# KiCad board Capstone_Project_Mainboard.kicad_pcb
title: TBD; date: 2023-12-26; rev: A; company: Jordan Harris-Toovy; note: Mainboard for Capstone Project at Oregon Tech; note: Manufacture using JLC10181H-2313 (2mm) with 0.15/0.3 minimum via; note: JLCPCB quoted 392USD for 20 units on 2023-12-09
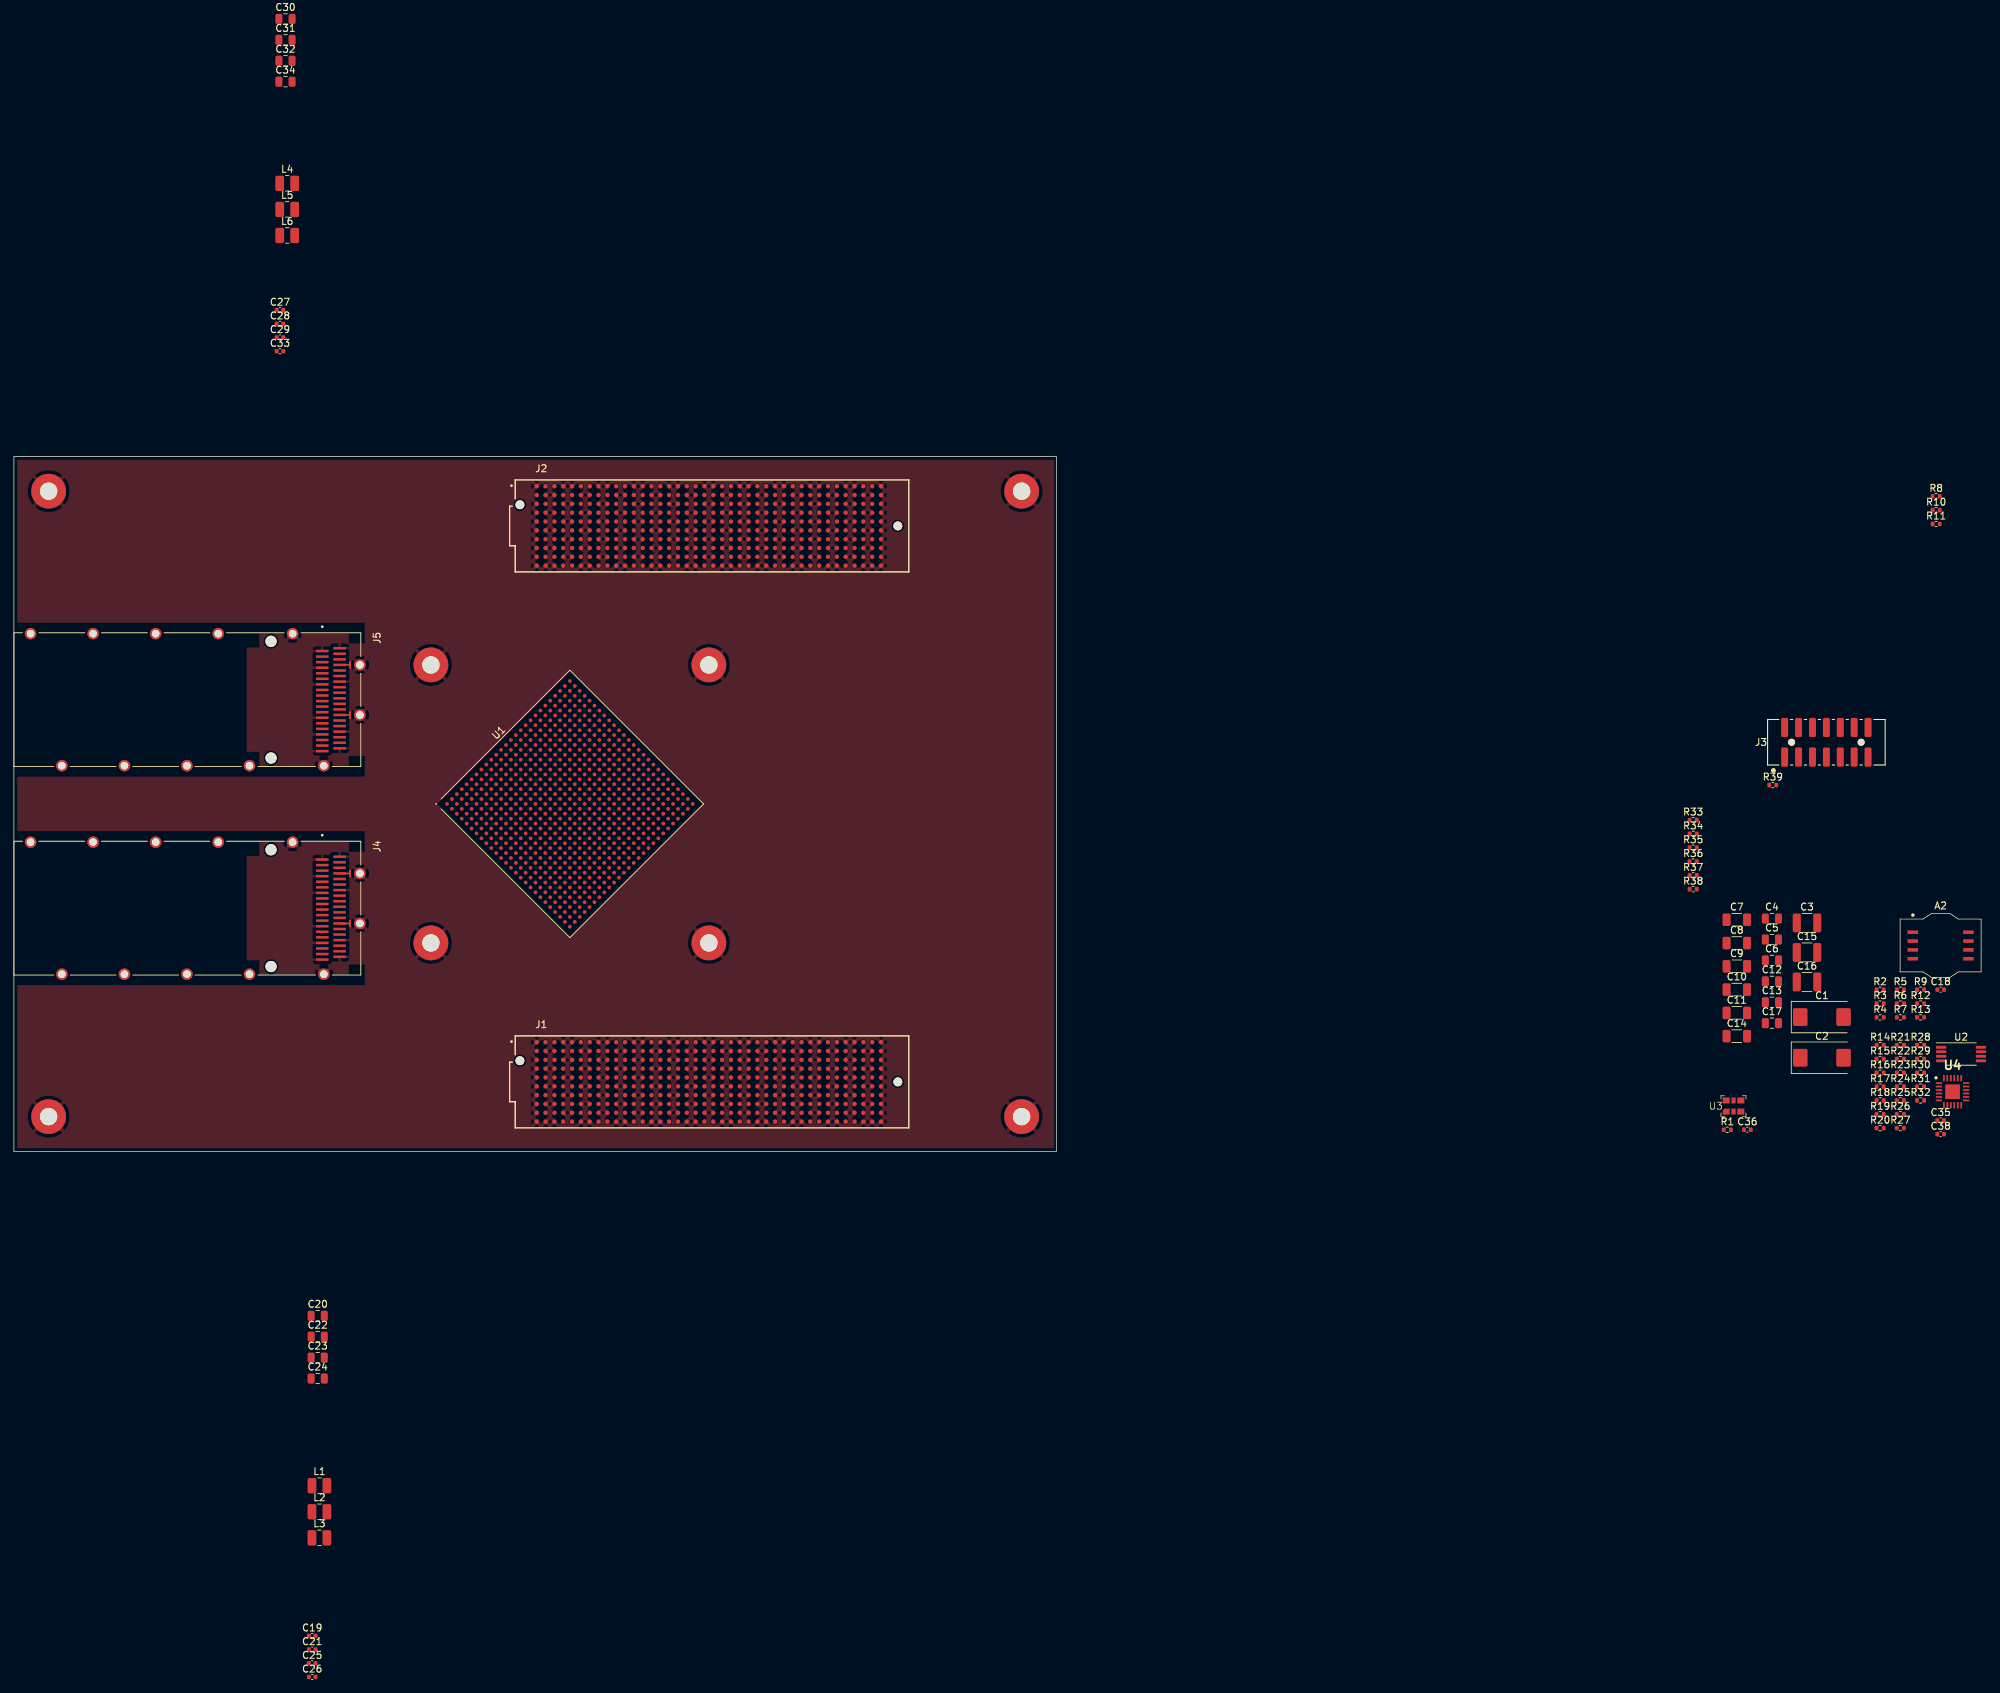
[diagram p0: board, top side]
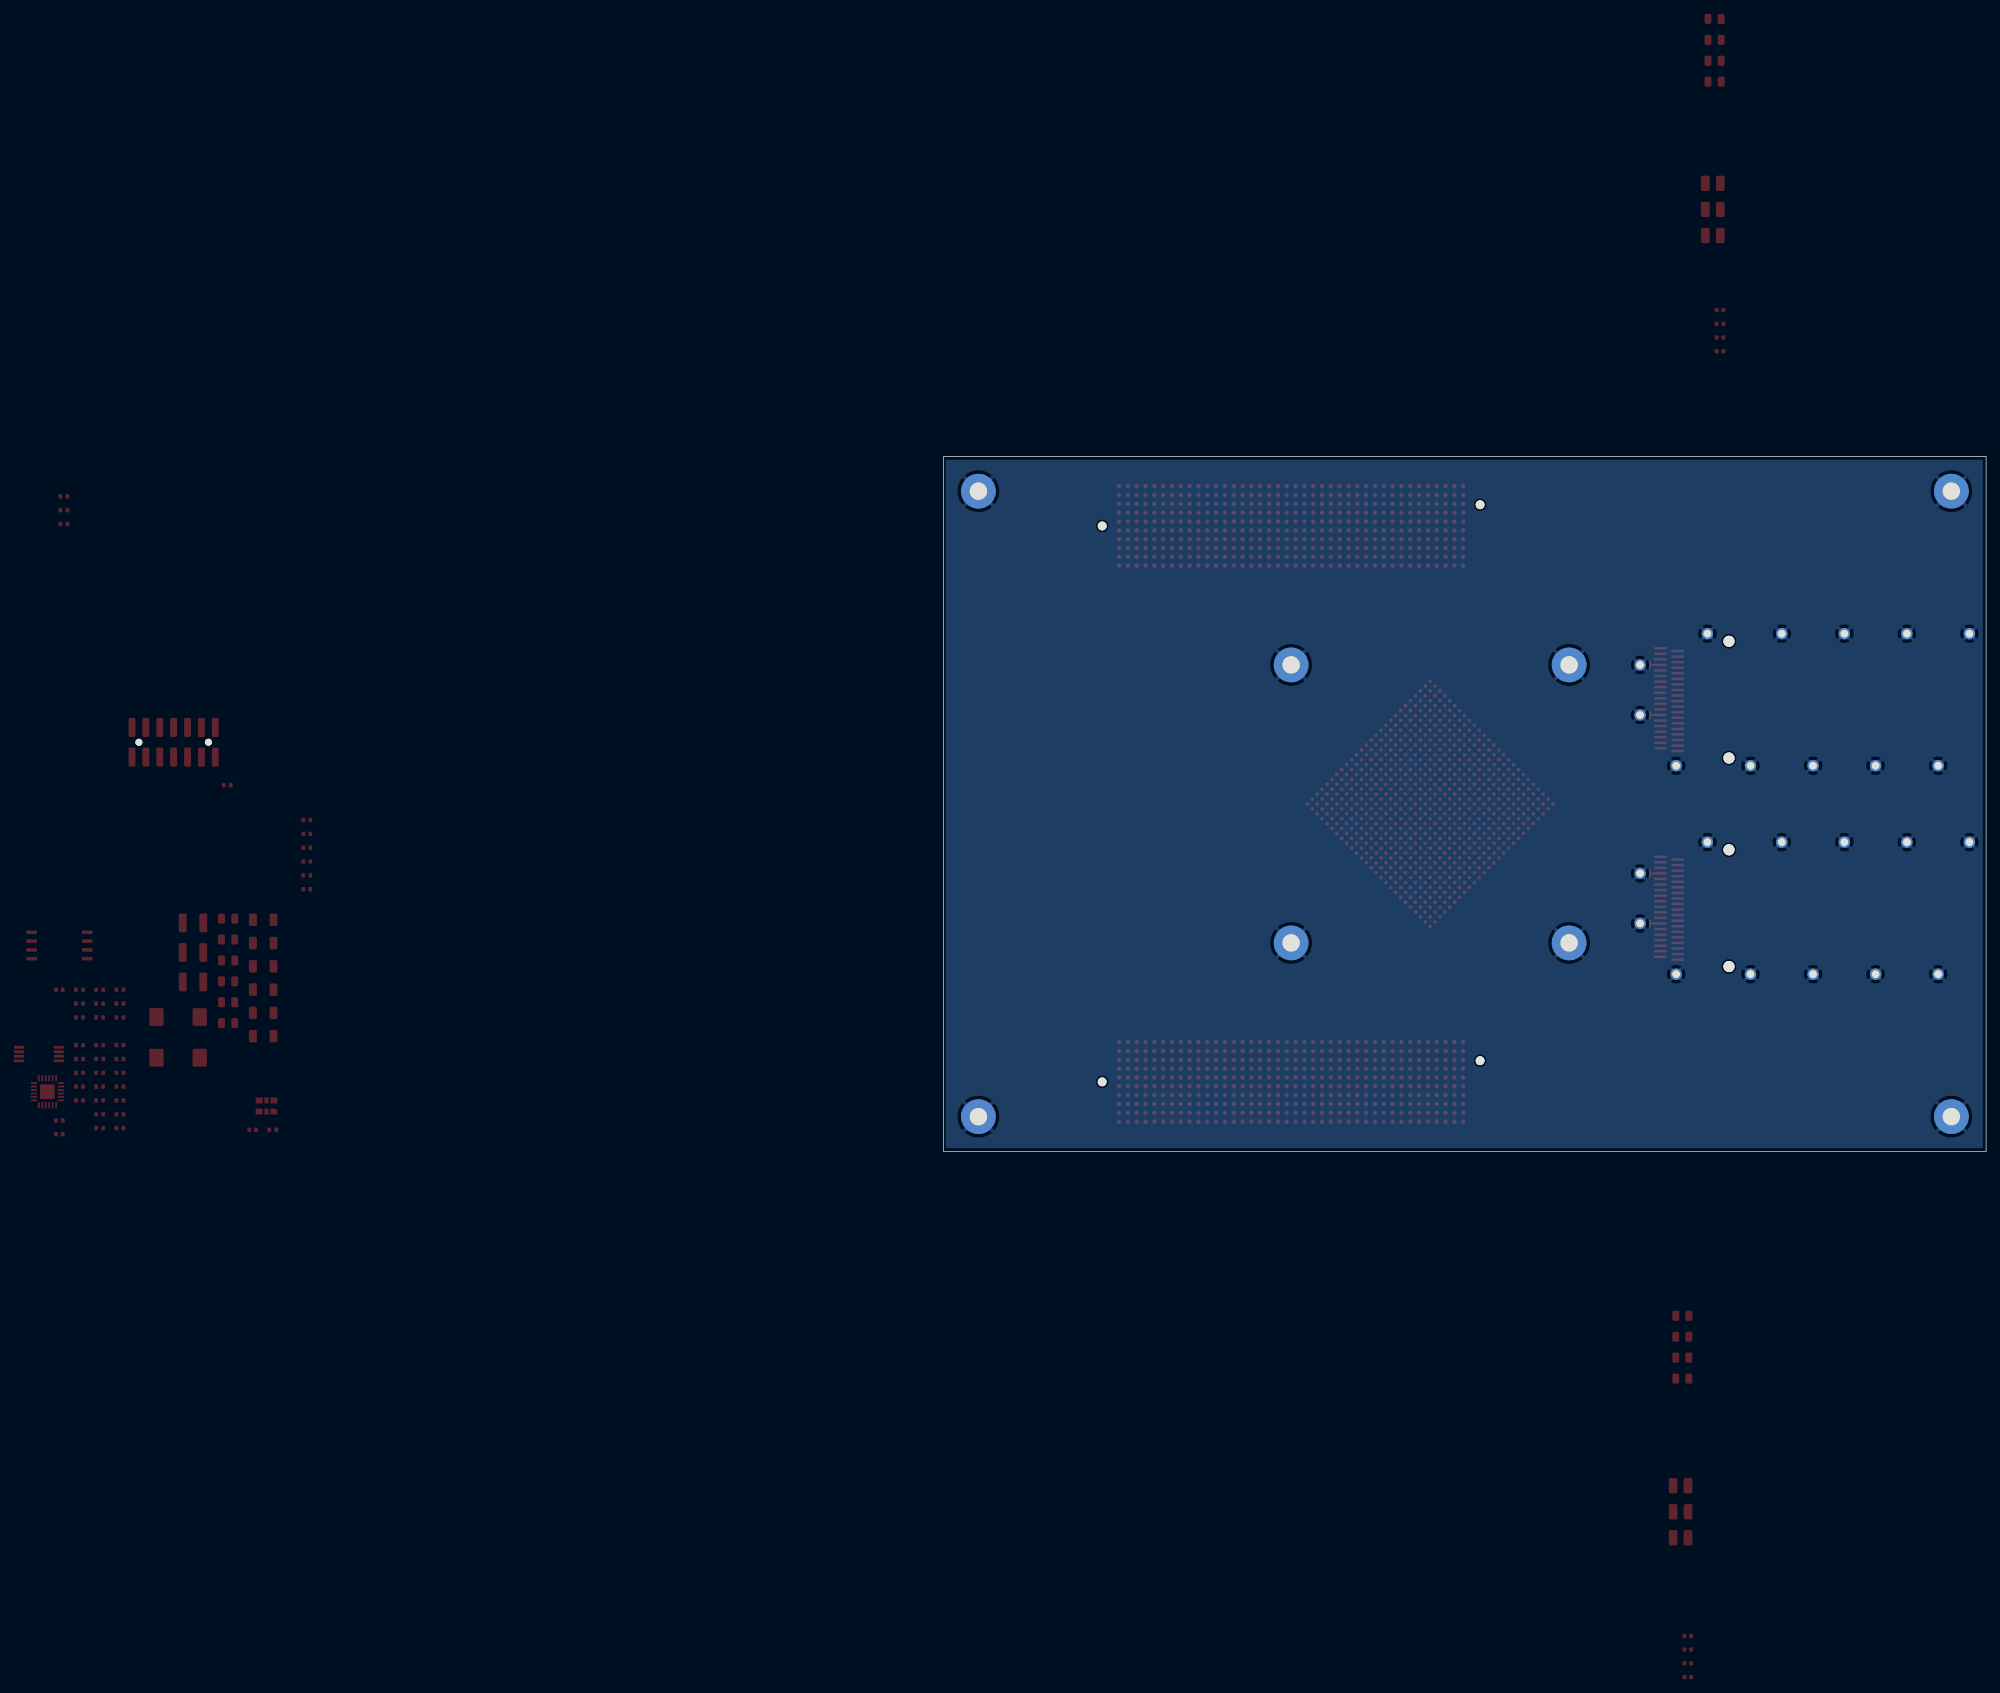
[diagram p1: board, bottom side, seen from below]

Outline 150 x 100 mm; copper layers: Top, In1.Cu (plane), In2.Cu (plane), In3.Cu (plane), In4.Cu (plane), In5.Cu, In6.Cu (plane), In7.Cu, In8.Cu (plane), Bottom. Coordinates in mm from the lower left corner of the outline.
Outline path: 0,100 150,100 150,0 0,0 0,100
Stack: Top 0.035mm / dielectric 0.0964mm FR4 er 4.05 / In1.Cu 0.0152mm / dielectric 0.13mm FR4 er 4.6 / In2.Cu 0.0152mm / dielectric 0.2084mm FR4 er 4.4 / dielectric 0.0964mm FR4 er 4.05 / In3.Cu 0.0152mm / dielectric 0.13mm FR4 er 4.6 / In4.Cu 0.0152mm / dielectric 0.1194mm FR4 er 4.25 / dielectric 0.1194mm FR4 er 4.25 / In5.Cu 0.0152mm / dielectric 0.13mm FR4 er 4.6 / In6.Cu 0.0152mm / dielectric 0.0964mm FR4 er 4.05 / dielectric 0.2084mm FR4 er 4.4 / In7.Cu 0.0152mm / dielectric 0.13mm FR4 er 4.6 / In8.Cu 0.0152mm / dielectric 0.0964mm FR4 er 4.05 / Bottom 0.035mm

## Placement (name value [footprint] x y rotation side)
A2  MT25QL128ABA1ESE  [ACA-SPI-004-K01]  277.24 29.63 0 top
C1  330u  [CP_EIA-7343-20_Kemet-V]  260.15 19.33 0 top
C2  330u  [CP_EIA-7343-20_Kemet-V]  260.15 13.48 0 top
C3  100u  [C_1210_3225Metric]  258.01 32.88 0 top
C4  4.7u  [C_0805_2012Metric]  252.96 33.5 0 top
C5  4.7u  [C_0805_2012Metric]  252.96 30.49 0 top
C6  4.7u  [C_0805_2012Metric]  252.96 27.48 0 top
C7  47u  [C_1206_3216Metric]  247.91 33.33 0 top
C8  47u  [C_1206_3216Metric]  247.91 29.98 0 top
C9  47u  [C_1206_3216Metric]  247.91 26.63 0 top
C10  47u  [C_1206_3216Metric]  247.91 23.28 0 top
C11  47u  [C_1206_3216Metric]  247.91 19.93 0 top
C12  4.7u  [C_0805_2012Metric]  252.96 24.47 0 top
C13  4.7u  [C_0805_2012Metric]  252.96 21.46 0 top
C14  47u  [C_1206_3216Metric]  247.91 16.58 0 top
C15  100u  [C_1210_3225Metric]  258.01 28.63 0 top
C16  100u  [C_1210_3225Metric]  258.01 24.38 0 top
C17  4.7u  [C_0805_2012Metric]  252.96 18.45 0 top
C18  0.1u  [C_0402_1005Metric]  277.24 23.27 0 top
C19  0.1u  [C_0402_1005Metric]  42.92 -69.71 0 top
C20  22u  [C_0805_2012Metric]  43.71 -23.65 0 top
C21  0.1u  [C_0402_1005Metric]  42.92 -71.68 0 top
C22  22u  [C_0805_2012Metric]  43.71 -26.66 0 top
C23  22u  [C_0805_2012Metric]  43.71 -29.67 0 top
C24  22u  [C_0805_2012Metric]  43.71 -32.68 0 top
C25  0.1u  [C_0402_1005Metric]  42.92 -73.65 0 top
C26  0.1u  [C_0402_1005Metric]  42.92 -75.62 0 top
C27  0.1u  [C_0402_1005Metric]  38.29 121.05 0 top
C28  0.1u  [C_0402_1005Metric]  38.29 119.08 0 top
C29  0.1u  [C_0402_1005Metric]  38.29 117.11 0 top
C30  22u  [C_0805_2012Metric]  39.08 162.95 0 top
C31  22u  [C_0805_2012Metric]  39.08 159.94 0 top
C32  22u  [C_0805_2012Metric]  39.08 156.93 0 top
C33  0.1u  [C_0402_1005Metric]  38.29 115.14 0 top
C34  22u  [C_0805_2012Metric]  39.08 153.92 0 top
C35  0.1u  [C_0402_1005Metric]  277.24 4.45 0 top
C36  0.1u  [C_0402_1005Metric]  249.43 3.12 0 top
C38  0.1u  [C_0402_1005Metric]  277.24 2.48 0 top
H1  Heatsink MH  [MountingHole_2.5mm_Pad]  60 70 0 top
H2  Heatsink MH  [MountingHole_2.5mm_Pad]  60 30 0 top
H3  Heatsink MH  [MountingHole_2.5mm_Pad]  100 30 0 top
H4  Heatsink MH  [MountingHole_2.5mm_Pad]  100 70 0 top
H5  Main MH  [MountingHole_2.5mm_Pad]  5 5 0 top
H6  Main MH  [MountingHole_2.5mm_Pad]  5 95 0 top
H7  Main MH  [MountingHole_2.5mm_Pad]  145 5 0 top
H8  Main MH  [MountingHole_2.5mm_Pad]  145 95 0 top
J1  ASP-134486  [SAMTEC_ASP-134486-01]  100 10 0 top
J2  ASP-134486  [SAMTEC_ASP-134486-01]  100 90 0 top
J3  Xilinx Cable Header  [0878321420]  260.8 58.87 0 top
J4  QSFP+ Connector & Cage  [AMPHENOL_U95T151100A]  37 35 270 top
J5  QSFP+ Connector & Cage  [AMPHENOL_U95T151100A]  37 65 270 top
L1  1u  [L_1008_2520Metric]  43.96 -48.1 0 top
L2  1u  [L_1008_2520Metric]  43.96 -51.85 0 top
L3  1u  [L_1008_2520Metric]  43.96 -55.6 0 top
L4  1u  [L_1008_2520Metric]  39.33 139.29 0 top
L5  1u  [L_1008_2520Metric]  39.33 135.54 0 top
L6  1u  [L_1008_2520Metric]  39.33 131.79 0 top
R1  100  [R_0402_1005Metric]  246.54 3.11 0 top
R2  27  [R_0402_1005Metric]  268.53 23.26 0 top
R3  27  [R_0402_1005Metric]  268.53 21.27 0 top
R4  27  [R_0402_1005Metric]  268.53 19.28 0 top
R5  27  [R_0402_1005Metric]  271.44 23.26 0 top
R6  4.7k  [R_0402_1005Metric]  271.44 21.27 0 top
R7  4.7k  [R_0402_1005Metric]  271.44 19.28 0 top
R8  4.7k  [R_0402_1005Metric]  276.59 94.26 0 top
R9  4.7k  [R_0402_1005Metric]  274.35 23.26 0 top
R10  4.7k  [R_0402_1005Metric]  276.59 92.27 0 top
R11  4.7k  [R_0402_1005Metric]  276.59 90.28 0 top
R12  4.7k  [R_0402_1005Metric]  274.35 21.27 0 top
R13  4.7k  [R_0402_1005Metric]  274.35 19.28 0 top
R14  4.7k  [R_0402_1005Metric]  268.53 15.29 0 top
R15  4.7k  [R_0402_1005Metric]  268.53 13.3 0 top
R16  4.7k  [R_0402_1005Metric]  268.53 11.31 0 top
R17  4.7k  [R_0402_1005Metric]  268.53 9.32 0 top
R18  4.7k  [R_0402_1005Metric]  268.53 7.33 0 top
R19  4.7k  [R_0402_1005Metric]  268.53 5.34 0 top
R20  4.7k  [R_0402_1005Metric]  268.53 3.35 0 top
R21  4.7k  [R_0402_1005Metric]  271.44 15.29 0 top
R22  4.7k  [R_0402_1005Metric]  271.44 13.3 0 top
R23  4.7k  [R_0402_1005Metric]  271.44 11.31 0 top
R24  4.7k  [R_0402_1005Metric]  271.44 9.32 0 top
R25  4.7k  [R_0402_1005Metric]  271.44 7.33 0 top
R26  4.7k  [R_0402_1005Metric]  271.44 5.34 0 top
R27  4.7k  [R_0402_1005Metric]  271.44 3.35 0 top
R28  4.7k  [R_0402_1005Metric]  274.35 15.29 0 top
R29  4.7k  [R_0402_1005Metric]  274.35 13.3 0 top
R30  4.7k  [R_0402_1005Metric]  274.35 11.31 0 top
R31  4.7k  [R_0402_1005Metric]  274.35 9.32 0 top
R32  4.7k  [R_0402_1005Metric]  274.35 7.33 0 top
R33  4.7k  [R_0402_1005Metric]  241.63 47.68 0 top
R34  4.7k  [R_0402_1005Metric]  241.63 45.69 0 top
R35  4.7k  [R_0402_1005Metric]  241.63 43.7 0 top
R36  4.7k  [R_0402_1005Metric]  241.63 41.71 0 top
R37  4.7k  [R_0402_1005Metric]  241.63 39.72 0 top
R38  4.7k  [R_0402_1005Metric]  241.63 37.73 0 top
R39  4.7k  [R_0402_1005Metric]  253.09 52.71 0 top
U1  XC7K160T-FFG676_MIB  [Xilinx_FFG676_K7_160T]  80 50 45 top
U2  M24C08  [TSSOP-8_4.4x3mm_P0.65mm]  280.18 14.01 0 top
U3  DSC1123CI2  [Microchip_6-VDFN]  247.44 6.53 0 top
U4  PCA9548A  [QFN50P400X400X100-25N-D]  278.96 8.59 0 top

## Library data of the parts
A2 = -: Notes: Also uses one LOTES ACA-SPI-004-K01; Part Number: MT25QL128ABA1ESE-0SIT
C1 C2 = -: Description: Polarized capacitor, US symbol; Part Number: T520V337M2R5ATE025
C3 C15 C16 = -: Description: Unpolarized capacitor; Part Number: GRM32ER60J107ME20L
C4-C6 C12 C13 C17 = -: Description: Unpolarized capacitor; Part Number: GRM21BR71C475KE51L
C7-C11 C14 = -: Description: Unpolarized capacitor; Part Number: GRM32ER70J476ME20L
C18 C19 C21 C25-C29 C33 C35 C36 C38 = -: Description: Unpolarized capacitor; Part Number: GRM155R71E104ME14J
C20 C22-C24 C30-C32 C34 = -: Description: Unpolarized capacitor; Part Number: CL21A226MAYNNNE
H1-H8 = -: Description: Mounting Hole with connection; Part Number: N/A
J1 J2 = -: Description: Connector array, 10x40, 1.27mm pitch, mezzanine-card, plug, gold finish, VITA 57.1 FMC, SMD; Part Number: ASP-134486-01
J3 = -: Description: Generic connector, double row, 02x07, odd/even pin numbering scheme (row 1 odd numbers, row 2 even numbers), script generated (kicad-library-utils/schlib/autogen/connector/); Part Number: 0878321420
J4 J5 = -: Description: An Amphenol U95-T151-100A QSFP QSFP cage with FS1-Z38-20Z6-60 QSFP+ connector; Notes: Also uses one FS1-Z38-20Z6-60; Part Number: U95-T151-100A
L1-L6 = -: Description: Inductor; Part Number: BDCD002520121R0MS1
R1 = -: Description: Resistor, US symbol; Notes: 0.5%; Part Number: MCS0402PD1000DE500
R2-R5 = -: Description: Resistor, US symbol; Part Number: RC0402FR-7W27RL
R6-R39 = -: Description: Resistor, US symbol; Part Number: RC0402FR-074K7L
U1 = -: Description: Kintex 7 T 160 XC7K160T-FFG676; Part Number: XC7K160T-2FFG676I
U2 = -: Part Number: M24C08-RDW6TP
U3 = -: Part Number: DSC1123CI2-156.2500T
U4 = -: Description: 8-channel I2C-bus switch with reset; Part Number: PCA9548ABS,118

## Footprints (pads in the part's own frame, mm; a bottom-side part is the same pattern mirrored in y, then rotated)
0878321420
  round 1 hole 1.041 unplated: (-5,0) (5,0)
  rrect 0.991x2.743 smd: 1(-6,-2.13) 2(-6,2.13) 3(-4,-2.13) 4(-4,2.13) 5(-2,-2.13) 6(-2,2.13) 7(0,-2.13) 8(0,2.13) 9(2,-2.13) 10(2,2.13) 11(4,-2.13) 12(4,2.13) 13(6,-2.13) 14(6,2.13)
ACA-SPI-004-K01
  rect 1.5x0.5 smd: 1(-4,1.905) 2(-4,0.635) 3(-4,-0.635) 4(-4,-1.905) 5(4,-1.905) 6(4,-0.635) 7(4,0.635) 8(4,1.905)
AMPHENOL_U95T151100A
  round 1.6 hole 1.6 unplated: (-8.4,0) (8.4,0)
  rect 0.35x1.8 smd: 1(-7,7.37) 2(-6.2,7.37) 3(-5.4,7.37) 4(-4.6,7.37) 5(-3.8,7.37) 6(-3,7.37) 7(-2.2,7.37) 8(-1.4,7.37) 9(-0.6,7.37) 10(0.2,7.37) 11(1,7.37) 12(1.8,7.37) 13(2.6,7.37) 14(3.4,7.37) 15(4.2,7.37) 16(5,7.37) 17(5.8,7.37) 18(6.6,7.37) 19(7.4,7.37) 20(7,9.87) 21(6.2,9.87) 22(5.4,9.87) 23(4.6,9.87) 24(3.8,9.87) 25(3,9.87) 26(2.2,9.87) 27(1.4,9.87) 28(0.6,9.87) 29(-0.2,9.87) 30(-1,9.87) 31(-1.8,9.87) 32(-2.6,9.87) 33(-3.4,9.87) 34(-4.2,9.87) 35(-5,9.87) 36(-5.8,9.87) 37(-6.6,9.87) 38(-7.4,9.87)
  round 1.65 hole 1.1: G1(-9.5,-7.6) G2(-9.5,-16.6) G3(-9.5,-25.6) G4(-9.5,-34.6) G5(9.5,-3.1) G6(9.5,-12.1) G7(9.5,-21.1) G8(9.5,-30.1) G9(9.5,7.6) G10(-9.5,3.1) G11(2.2,12.79) G12(-5,12.79)
C_0402_1005Metric
  rrect 0.56x0.62 smd: 1(-0.48,0) 2(0.48,0)
C_0805_2012Metric
  rrect 1x1.45 smd: 1(-0.95,0) 2(0.95,0)
C_1206_3216Metric
  rrect 1.15x1.8 smd: 1(-1.475,0) 2(1.475,0)
C_1210_3225Metric
  rrect 1.15x2.7 smd: 1(-1.475,0) 2(1.475,0)
CP_EIA-7343-20_Kemet-V
  rrect 2.075x2.55 smd: 1(-3.112,0) 2(3.112,0)
L_1008_2520Metric
  rrect 1.25x2.2 smd: 1(-1.075,0) 2(1.075,0)
Microchip_6-VDFN
  rrect 1x0.85 smd: 1(-1.05,-0.8) 3(1.05,-0.8) 4(1.05,0.8) 6(-1.05,0.8)
  rrect 0.6x0.85 smd: 2(0,-0.8) 5(0,0.8)
MountingHole_2.5mm_Pad
  round 5 hole 2.5: 1(0,0)
QFN50P400X400X100-25N-D
  rect 0.9x0.24 smd: 1(-1.95,1.25) 2(-1.95,0.75) 3(-1.95,0.25) 4(-1.95,-0.25) 5(-1.95,-0.75) 6(-1.95,-1.25) 13(1.95,-1.25) 14(1.95,-0.75) 15(1.95,-0.25) 16(1.95,0.25) 17(1.95,0.75) 18(1.95,1.25)
  rect 0.24x0.9 smd: 7(-1.25,-1.95) 8(-0.75,-1.95) 9(-0.25,-1.95) 10(0.25,-1.95) 11(0.75,-1.95) 12(1.25,-1.95) 19(1.25,1.95) 20(0.75,1.95) 21(0.25,1.95) 22(-0.25,1.95) 23(-0.75,1.95) 24(-1.25,1.95)
  rect 2.1x2.1 smd: 25(0,0)
R_0402_1005Metric
  rrect 0.54x0.64 smd: 1(-0.51,0) 2(0.51,0)
SAMTEC_ASP-134486-01
  round 1.27 hole 1.27 unplated: (-27.189,3.05) (27.191,0)
  round 0.64 smd: A1(-24.765,5.715) A2(-23.495,5.715) A3(-22.225,5.715) A4(-20.955,5.715) A5(-19.685,5.715) A6(-18.415,5.715) A7(-17.145,5.715) A8(-15.875,5.715) A9(-14.605,5.715) A10(-13.335,5.715) A11(-12.065,5.715) A12(-10.795,5.715) A13(-9.525,5.715) A14(-8.255,5.715) A15(-6.985,5.715) A16(-5.715,5.715) A17(-4.445,5.715) A18(-3.175,5.715) A19(-1.905,5.715) A20(-0.635,5.715) A21(0.635,5.715) A22(1.905,5.715) A23(3.175,5.715) A24(4.445,5.715) A25(5.715,5.715) A26(6.985,5.715) A27(8.255,5.715) A28(9.525,5.715) A29(10.795,5.715) A30(12.065,5.715) A31(13.335,5.715) A32(14.605,5.715) A33(15.875,5.715) A34(17.145,5.715) A35(18.415,5.715) A36(19.685,5.715) A37(20.955,5.715) A38(22.225,5.715) A39(23.495,5.715) A40(24.765,5.715) B1(-24.765,4.445) B2(-23.495,4.445) B3(-22.225,4.445) B4(-20.955,4.445) B5(-19.685,4.445) B6(-18.415,4.445) B7(-17.145,4.445) B8(-15.875,4.445) B9(-14.605,4.445) B10(-13.335,4.445) B11(-12.065,4.445) B12(-10.795,4.445) B13(-9.525,4.445) B14(-8.255,4.445) B15(-6.985,4.445) B16(-5.715,4.445) B17(-4.445,4.445) B18(-3.175,4.445) B19(-1.905,4.445) B20(-0.635,4.445) B21(0.635,4.445) B22(1.905,4.445) B23(3.175,4.445) B24(4.445,4.445) B25(5.715,4.445) B26(6.985,4.445) B27(8.255,4.445) B28(9.525,4.445) B29(10.795,4.445) B30(12.065,4.445) B31(13.335,4.445) B32(14.605,4.445) B33(15.875,4.445) B34(17.145,4.445) B35(18.415,4.445) B36(19.685,4.445) B37(20.955,4.445) B38(22.225,4.445) B39(23.495,4.445) B40(24.765,4.445) C1(-24.765,3.175) C2(-23.495,3.175) C3(-22.225,3.175) C4(-20.955,3.175) C5(-19.685,3.175) C6(-18.415,3.175) C7(-17.145,3.175) C8(-15.875,3.175) C9(-14.605,3.175) C10(-13.335,3.175) C11(-12.065,3.175) C12(-10.795,3.175) C13(-9.525,3.175) C14(-8.255,3.175) C15(-6.985,3.175) C16(-5.715,3.175) C17(-4.445,3.175) C18(-3.175,3.175) C19(-1.905,3.175) C20(-0.635,3.175) C21(0.635,3.175) C22(1.905,3.175) C23(3.175,3.175) C24(4.445,3.175) C25(5.715,3.175) C26(6.985,3.175) C27(8.255,3.175) C28(9.525,3.175) C29(10.795,3.175) C30(12.065,3.175) C31(13.335,3.175) C32(14.605,3.175) C33(15.875,3.175) C34(17.145,3.175) C35(18.415,3.175) C36(19.685,3.175) C37(20.955,3.175) C38(22.225,3.175) C39(23.495,3.175) C40(24.765,3.175) D1(-24.765,1.905) D2(-23.495,1.905) D3(-22.225,1.905) D4(-20.955,1.905) D5(-19.685,1.905) D6(-18.415,1.905) D7(-17.145,1.905) D8(-15.875,1.905) D9(-14.605,1.905) D10(-13.335,1.905) D11(-12.065,1.905) D12(-10.795,1.905) D13(-9.525,1.905) D14(-8.255,1.905) D15(-6.985,1.905) D16(-5.715,1.905) D17(-4.445,1.905) D18(-3.175,1.905) D19(-1.905,1.905) D20(-0.635,1.905) D21(0.635,1.905) D22(1.905,1.905) D23(3.175,1.905) D24(4.445,1.905) D25(5.715,1.905) D26(6.985,1.905) D27(8.255,1.905) D28(9.525,1.905) D29(10.795,1.905) D30(12.065,1.905) D31(13.335,1.905) D32(14.605,1.905) D33(15.875,1.905) D34(17.145,1.905) D35(18.415,1.905) D36(19.685,1.905) D37(20.955,1.905) D38(22.225,1.905) D39(23.495,1.905) D40(24.765,1.905) E1(-24.765,0.635) E2(-23.495,0.635) E3(-22.225,0.635) E4(-20.955,0.635) E5(-19.685,0.635) E6(-18.415,0.635) E7(-17.145,0.635) E8(-15.875,0.635) E9(-14.605,0.635) E10(-13.335,0.635) E11(-12.065,0.635) E12(-10.795,0.635) E13(-9.525,0.635) E14(-8.255,0.635) E15(-6.985,0.635) E16(-5.715,0.635) E17(-4.445,0.635) E18(-3.175,0.635) E19(-1.905,0.635) E20(-0.635,0.635) E21(0.635,0.635) E22(1.905,0.635) E23(3.175,0.635) E24(4.445,0.635) E25(5.715,0.635) E26(6.985,0.635) E27(8.255,0.635) E28(9.525,0.635) E29(10.795,0.635) E30(12.065,0.635) E31(13.335,0.635) E32(14.605,0.635) E33(15.875,0.635) E34(17.145,0.635) E35(18.415,0.635) E36(19.685,0.635) E37(20.955,0.635) E38(22.225,0.635) E39(23.495,0.635) E40(24.765,0.635) F1(-24.765,-0.635) F2(-23.495,-0.635) F3(-22.225,-0.635) F4(-20.955,-0.635) F5(-19.685,-0.635) F6(-18.415,-0.635) F7(-17.145,-0.635) F8(-15.875,-0.635) F9(-14.605,-0.635) F10(-13.335,-0.635) F11(-12.065,-0.635) F12(-10.795,-0.635) F13(-9.525,-0.635) F14(-8.255,-0.635) F15(-6.985,-0.635) F16(-5.715,-0.635) F17(-4.445,-0.635) F18(-3.175,-0.635) F19(-1.905,-0.635) F20(-0.635,-0.635) F21(0.635,-0.635) F22(1.905,-0.635) F23(3.175,-0.635) F24(4.445,-0.635) F25(5.715,-0.635) F26(6.985,-0.635) F27(8.255,-0.635) F28(9.525,-0.635) F29(10.795,-0.635) F30(12.065,-0.635) F31(13.335,-0.635) F32(14.605,-0.635) F33(15.875,-0.635) F34(17.145,-0.635) F35(18.415,-0.635) F36(19.685,-0.635) F37(20.955,-0.635) F38(22.225,-0.635) F39(23.495,-0.635) F40(24.765,-0.635) G1(-24.765,-1.905) G2(-23.495,-1.905) G3(-22.225,-1.905) G4(-20.955,-1.905) G5(-19.685,-1.905) G6(-18.415,-1.905) G7(-17.145,-1.905) G8(-15.875,-1.905) G9(-14.605,-1.905) G10(-13.335,-1.905) G11(-12.065,-1.905) G12(-10.795,-1.905) G13(-9.525,-1.905) G14(-8.255,-1.905) G15(-6.985,-1.905) G16(-5.715,-1.905) G17(-4.445,-1.905) G18(-3.175,-1.905) G19(-1.905,-1.905) G20(-0.635,-1.905) G21(0.635,-1.905) G22(1.905,-1.905) G23(3.175,-1.905) G24(4.445,-1.905) G25(5.715,-1.905) G26(6.985,-1.905) G27(8.255,-1.905) G28(9.525,-1.905) G29(10.795,-1.905) G30(12.065,-1.905) G31(13.335,-1.905) G32(14.605,-1.905) G33(15.875,-1.905) G34(17.145,-1.905) G35(18.415,-1.905) G36(19.685,-1.905) G37(20.955,-1.905) G38(22.225,-1.905) G39(23.495,-1.905) G40(24.765,-1.905) H1(-24.765,-3.175) H2(-23.495,-3.175) H3(-22.225,-3.175) H4(-20.955,-3.175) H5(-19.685,-3.175) H6(-18.415,-3.175) H7(-17.145,-3.175) H8(-15.875,-3.175) H9(-14.605,-3.175) H10(-13.335,-3.175) H11(-12.065,-3.175) H12(-10.795,-3.175) H13(-9.525,-3.175) H14(-8.255,-3.175) H15(-6.985,-3.175) H16(-5.715,-3.175) H17(-4.445,-3.175) H18(-3.175,-3.175) H19(-1.905,-3.175) H20(-0.635,-3.175) H21(0.635,-3.175) H22(1.905,-3.175) H23(3.175,-3.175) H24(4.445,-3.175) H25(5.715,-3.175) H26(6.985,-3.175) H27(8.255,-3.175) H28(9.525,-3.175) H29(10.795,-3.175) H30(12.065,-3.175) H31(13.335,-3.175) H32(14.605,-3.175) H33(15.875,-3.175) H34(17.145,-3.175) H35(18.415,-3.175) H36(19.685,-3.175) H37(20.955,-3.175) H38(22.225,-3.175) H39(23.495,-3.175) H40(24.765,-3.175) J1(-24.765,-4.445) J2(-23.495,-4.445) J3(-22.225,-4.445) J4(-20.955,-4.445) J5(-19.685,-4.445) J6(-18.415,-4.445) J7(-17.145,-4.445) J8(-15.875,-4.445) J9(-14.605,-4.445) J10(-13.335,-4.445) J11(-12.065,-4.445) J12(-10.795,-4.445) J13(-9.525,-4.445) J14(-8.255,-4.445) J15(-6.985,-4.445) J16(-5.715,-4.445) J17(-4.445,-4.445) J18(-3.175,-4.445) J19(-1.905,-4.445) J20(-0.635,-4.445) J21(0.635,-4.445) J22(1.905,-4.445) J23(3.175,-4.445) J24(4.445,-4.445) J25(5.715,-4.445) J26(6.985,-4.445) J27(8.255,-4.445) J28(9.525,-4.445) J29(10.795,-4.445) J30(12.065,-4.445) J31(13.335,-4.445) J32(14.605,-4.445) J33(15.875,-4.445) J34(17.145,-4.445) J35(18.415,-4.445) J36(19.685,-4.445) J37(20.955,-4.445) J38(22.225,-4.445) J39(23.495,-4.445) J40(24.765,-4.445) K1(-24.765,-5.715) K2(-23.495,-5.715) K3(-22.225,-5.715) K4(-20.955,-5.715) K5(-19.685,-5.715) K6(-18.415,-5.715) K7(-17.145,-5.715) K8(-15.875,-5.715) K9(-14.605,-5.715) K10(-13.335,-5.715) K11(-12.065,-5.715) K12(-10.795,-5.715) K13(-9.525,-5.715) K14(-8.255,-5.715) K15(-6.985,-5.715) K16(-5.715,-5.715) K17(-4.445,-5.715) K18(-3.175,-5.715) K19(-1.905,-5.715) K20(-0.635,-5.715) K21(0.635,-5.715) K22(1.905,-5.715) K23(3.175,-5.715) K24(4.445,-5.715) K25(5.715,-5.715) K26(6.985,-5.715) K27(8.255,-5.715) K28(9.525,-5.715) K29(10.795,-5.715) K30(12.065,-5.715) K31(13.335,-5.715) K32(14.605,-5.715) K33(15.875,-5.715) K34(17.145,-5.715) K35(18.415,-5.715) K36(19.685,-5.715) K37(20.955,-5.715) K38(22.225,-5.715) K39(23.495,-5.715) K40(24.765,-5.715)